# KiCad board chc-panel-1.0.kicad_pcb (continued)
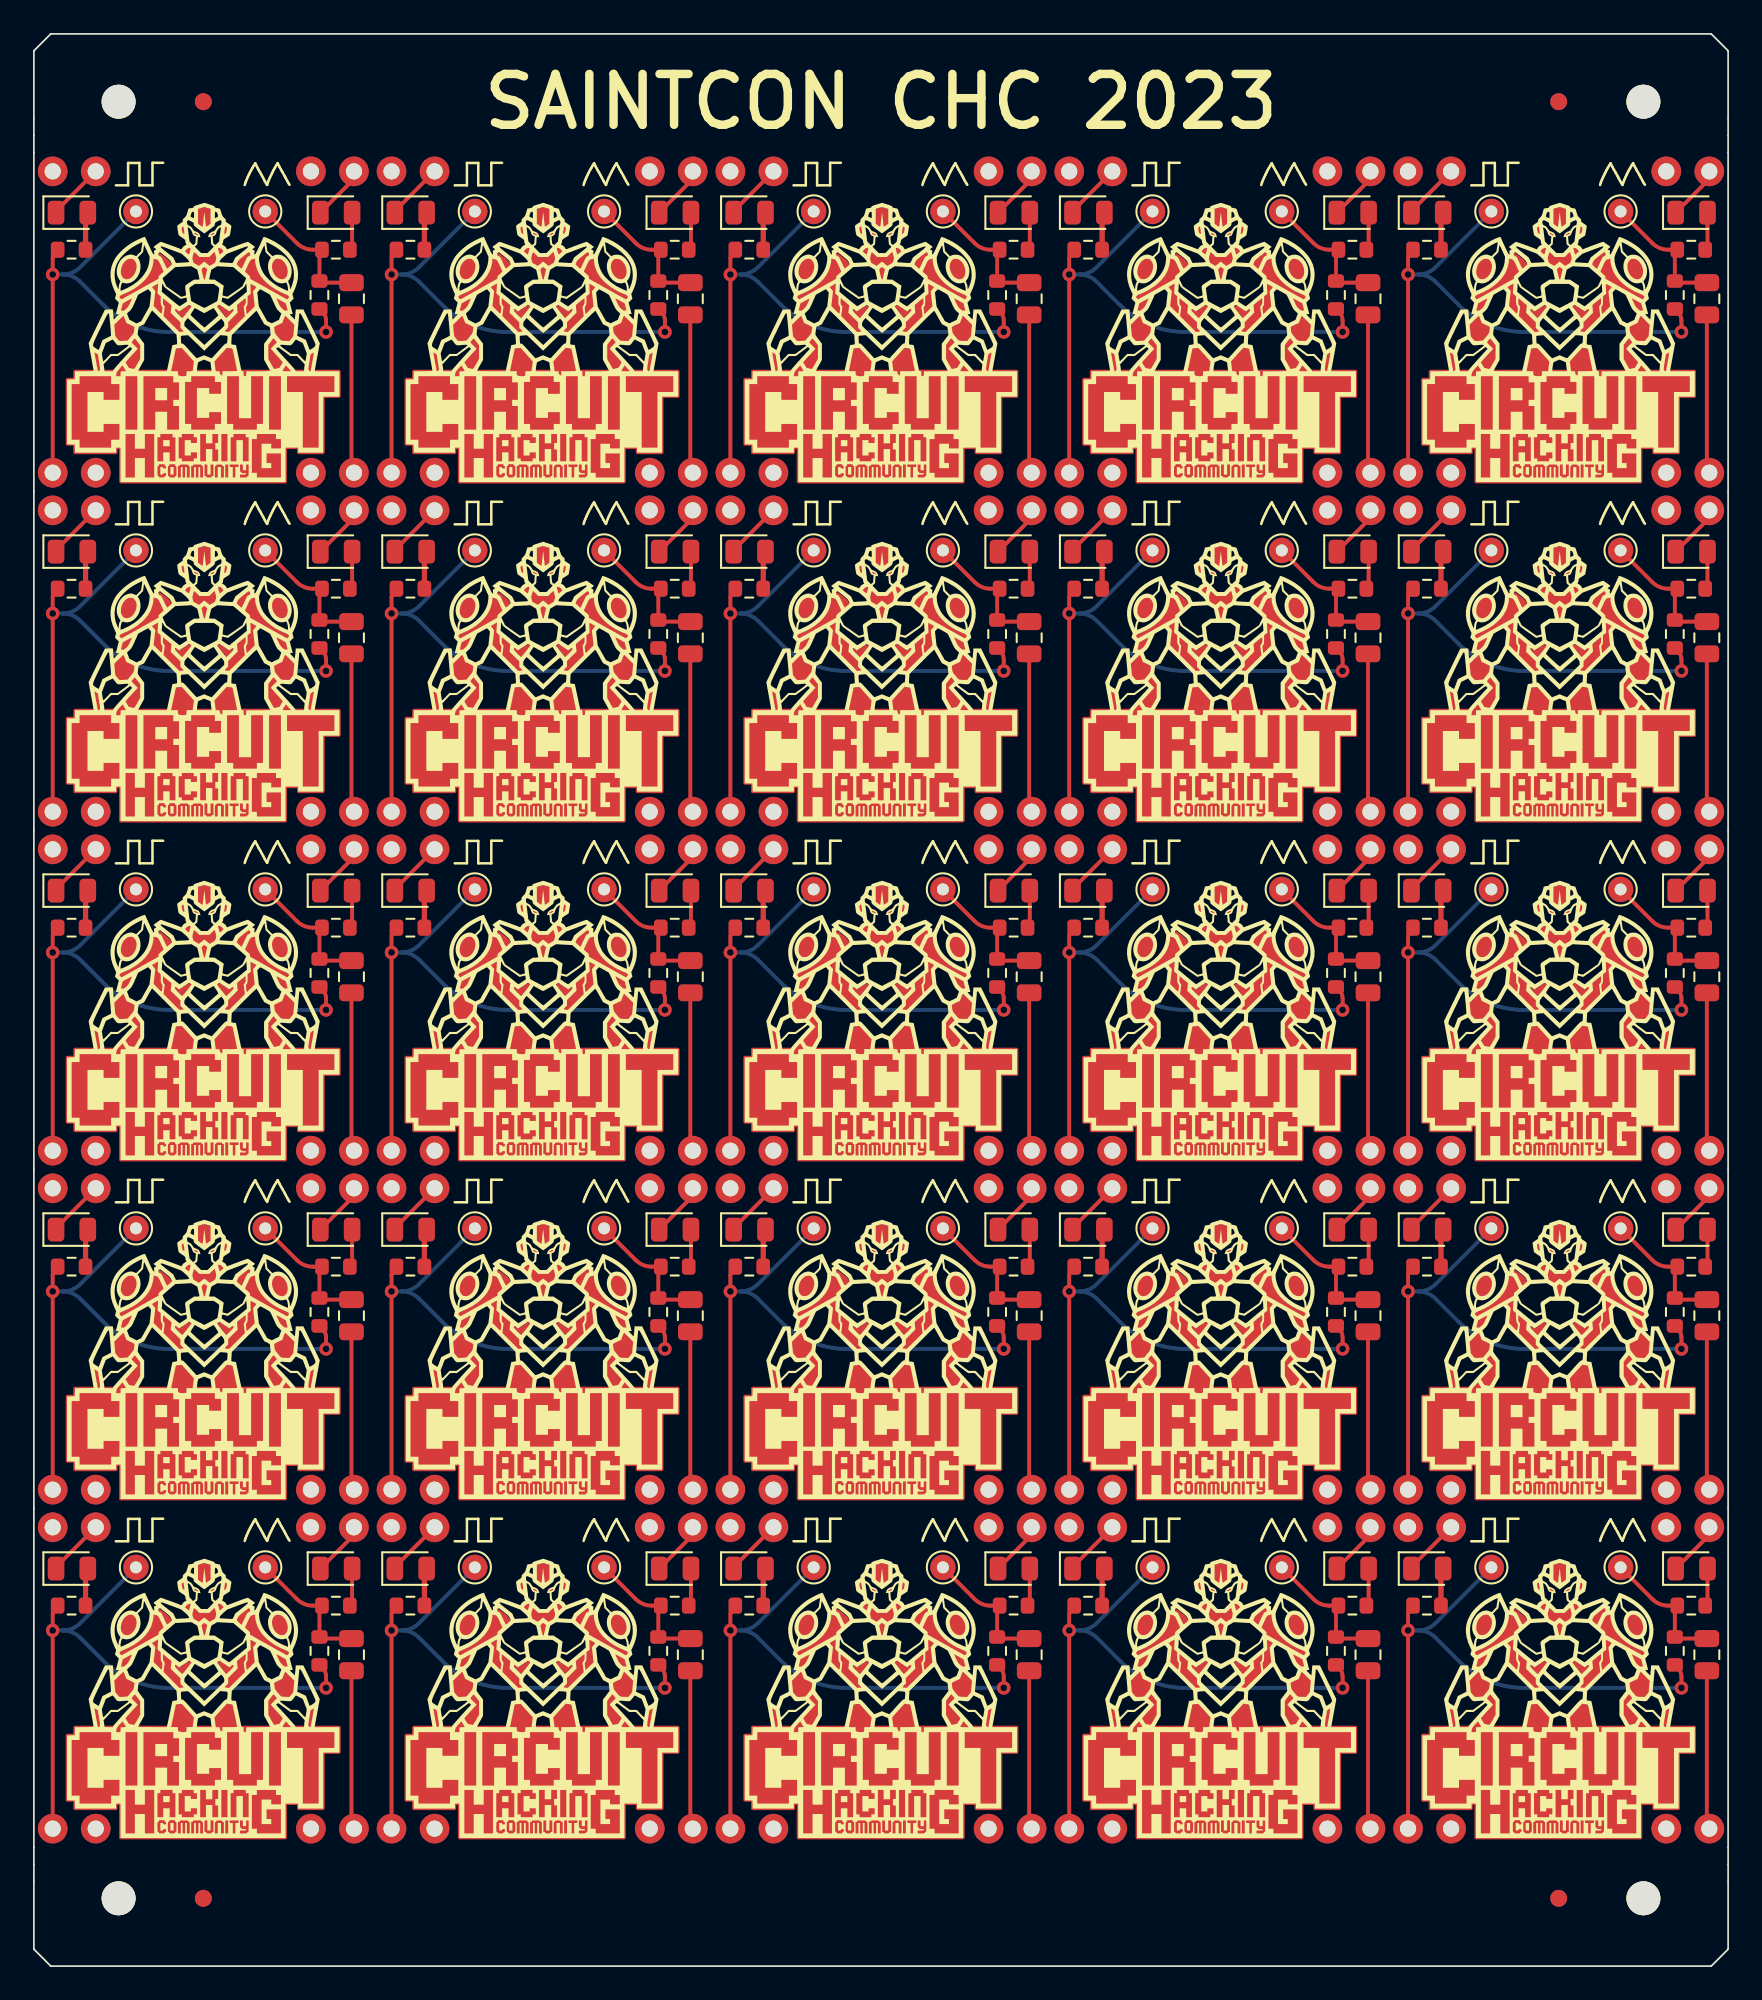
[diagram p0: board, top side]
## Routing (per net, layer and track width the routed paths; a pad name or vN(x,y) marks a point on that pad's centre or on a via; arc(x,y) is an arc through that point) (continued)
Board_17-Net-(MB1-CLK): length 37.8
  Top w0.229: R1-17.2 41.26,41.12 arc(41.15,40.96) 41.11,40.77 MB1-17.9 ; v1(57.24,36.42) 57.24,37.1 arc(57.19,37.36) 57.05,37.58 R2-17.2
  Bottom w0.229: TP1-17.1 42.73,40.23 arc(42.26,39.91) 41.71,39.81 ; v1(57.24,36.42) 47.95,36.42 arc(45.87,36.83) 44.1,38.01 42.73,39.38 arc(42.26,39.7) 41.71,39.81 ; 41.71,39.81 v1(41.11,39.81)
Board_18-GND: length 16
  Top w0.229: MB1-18.8 78.89,45.66 arc(78.85,45.45) 78.73,45.28 D2-18.1 ; D1-18.1 61.31,43.5 arc(61.32,43.54) 61.34,43.58 MB1-18.2 ; C1-18.2 78.74,28.36 arc(78.76,28.26) 78.82,28.18 MB1-18.16
Board_18-Net-(C1-Pad1): length 7.9
  Top w0.229: C1-18.1 77.02,39.33 arc(76.96,39.34) 76.9,39.37 arc(76.87,39.43) 76.86,39.49 76.86,41.02 arc(76.87,41.11) 76.93,41.19 arc(76.94,41.24) 76.9,41.27 76.46,41.27 arc(75.95,41.37) 75.53,41.65 TP2-18.1
Board_18-Net-(D1-A): length 2.2
  Top w0.305: D1-18.2 63.12,43.39 arc(63.07,43.32) 63.05,43.23 R1-18.1
Board_18-Net-(D2-A): length 2.2
  Top w0.229: D2-18.2 78.78,41.49 arc(78.77,41.41) 78.72,41.33 R3-18.1
Board_18-Net-(MB1-CLK): length 37.8
  Top w0.229: MB1-18.9 61.11,40.77 arc(61.15,40.96) 61.26,41.12 R1-18.2 ; R2-18.2 77.05,37.58 arc(77.19,37.36) 77.24,37.1 v1(77.24,36.42)
  Bottom w0.229: 61.71,39.81 v1(61.11,39.81) ; 61.71,39.81 arc(62.26,39.91) 62.73,40.23 TP1-18.1 ; 61.71,39.81 arc(62.26,39.7) 62.73,39.38 64.1,38.01 arc(65.87,36.83) 67.95,36.42 v1(77.24,36.42)
Board_19-GND: length 16
  Top w0.229: MB1-19.8 98.89,45.66 arc(98.85,45.45) 98.73,45.28 D2-19.1 ; D1-19.1 81.31,43.5 arc(81.32,43.54) 81.34,43.58 MB1-19.2 ; C1-19.2 98.74,28.36 arc(98.76,28.26) 98.82,28.18 MB1-19.16
Board_19-Net-(C1-Pad1): length 7.9
  Top w0.229: TP2-19.1 95.53,41.65 arc(95.95,41.37) 96.46,41.27 96.9,41.27 arc(96.94,41.24) 96.93,41.19 arc(96.87,41.11) 96.86,41.02 96.86,39.49 arc(96.87,39.43) 96.9,39.37 arc(96.96,39.34) 97.02,39.33 C1-19.1
Board_19-Net-(D1-A): length 2.2
  Top w0.305: R1-19.1 83.05,43.23 arc(83.07,43.32) 83.12,43.39 D1-19.2
Board_19-Net-(D2-A): length 2.2
  Top w0.229: R3-19.1 98.72,41.33 arc(98.77,41.41) 98.78,41.49 D2-19.2
Board_19-Net-(MB1-CLK): length 37.8
  Top w0.229: R2-19.2 97.05,37.58 arc(97.19,37.36) 97.24,37.1 v1(97.24,36.42) ; R1-19.2 81.26,41.12 arc(81.15,40.96) 81.11,40.77 MB1-19.9
  Bottom w0.229: v1(97.24,36.42) 87.95,36.42 arc(85.87,36.83) 84.1,38.01 82.73,39.38 arc(82.26,39.7) 81.71,39.81 ; TP1-19.1 82.73,40.23 arc(82.26,39.91) 81.71,39.81 ; 81.71,39.81 v1(81.11,39.81)
Board_20-GND: length 16
  Top w0.229: D1-20.1 1.31,23.5 arc(1.32,23.54) 1.34,23.58 MB1-20.2 ; MB1-20.8 18.89,25.66 arc(18.85,25.45) 18.73,25.28 D2-20.1 ; C1-20.2 18.74,8.36 arc(18.76,8.26) 18.82,8.18 MB1-20.16
Board_20-Net-(C1-Pad1): length 7.9
  Top w0.229: C1-20.1 17.02,19.32 arc(16.96,19.34) 16.9,19.37 arc(16.87,19.43) 16.86,19.49 16.86,21.02 arc(16.87,21.11) 16.93,21.19 arc(16.94,21.24) 16.9,21.27 16.46,21.27 arc(15.95,21.37) 15.53,21.65 TP2-20.1
Board_20-Net-(D1-A): length 2.2
  Top w0.305: D1-20.2 3.12,23.39 arc(3.07,23.32) 3.05,23.23 R1-20.1
Board_20-Net-(D2-A): length 2.2
  Top w0.229: R3-20.1 18.72,21.33 arc(18.77,21.41) 18.78,21.49 D2-20.2
Board_20-Net-(MB1-CLK): length 37.8
  Top w0.229: R1-20.2 1.25,21.12 arc(1.15,20.96) 1.11,20.77 MB1-20.9 ; v1(17.24,16.41) 17.24,17.1 arc(17.19,17.36) 17.05,17.57 R2-20.2
  Bottom w0.229: 1.71,19.81 v1(1.11,19.81) ; 1.71,19.81 arc(2.26,19.91) 2.73,20.23 TP1-20.1 ; 1.71,19.81 arc(2.26,19.7) 2.73,19.38 4.1,18.01 arc(5.87,16.83) 7.95,16.41 v1(17.24,16.41)
Board_21-GND: length 16
  Top w0.229: MB1-21.8 38.89,25.66 arc(38.85,25.45) 38.73,25.28 D2-21.1 ; D1-21.1 21.31,23.5 arc(21.32,23.54) 21.34,23.58 MB1-21.2 ; MB1-21.16 38.82,8.18 arc(38.76,8.26) 38.74,8.36 C1-21.2
Board_21-Net-(C1-Pad1): length 7.9
  Top w0.229: TP2-21.1 35.53,21.65 arc(35.95,21.37) 36.46,21.27 36.9,21.27 arc(36.94,21.24) 36.93,21.19 arc(36.87,21.11) 36.86,21.02 36.86,19.49 arc(36.87,19.43) 36.9,19.37 arc(36.96,19.34) 37.02,19.32 C1-21.1
Board_21-Net-(D1-A): length 2.2
  Top w0.305: D1-21.2 23.12,23.39 arc(23.07,23.32) 23.05,23.23 R1-21.1
Board_21-Net-(D2-A): length 2.2
  Top w0.229: R3-21.1 38.72,21.33 arc(38.77,21.41) 38.78,21.49 D2-21.2
Board_21-Net-(MB1-CLK): length 37.8
  Top w0.229: R2-21.2 37.05,17.57 arc(37.19,17.36) 37.24,17.1 v1(37.24,16.41) ; MB1-21.9 21.11,20.77 arc(21.15,20.96) 21.25,21.12 R1-21.2
  Bottom w0.229: 21.71,19.81 v1(21.11,19.81) ; 21.71,19.81 arc(22.26,19.7) 22.73,19.38 24.1,18.01 arc(25.87,16.83) 27.95,16.41 v1(37.24,16.41) ; 21.71,19.81 arc(22.26,19.91) 22.73,20.23 TP1-21.1
Board_22-GND: length 16
  Top w0.229: MB1-22.2 41.34,23.58 arc(41.32,23.54) 41.31,23.5 D1-22.1 ; C1-22.2 58.74,8.36 arc(58.76,8.26) 58.82,8.18 MB1-22.16 ; D2-22.1 58.73,25.28 arc(58.85,25.45) 58.89,25.66 MB1-22.8
Board_22-Net-(C1-Pad1): length 7.9
  Top w0.229: C1-22.1 57.02,19.32 arc(56.96,19.34) 56.9,19.37 arc(56.87,19.43) 56.86,19.49 56.86,21.02 arc(56.87,21.11) 56.93,21.19 arc(56.94,21.24) 56.9,21.27 56.46,21.27 arc(55.95,21.37) 55.53,21.65 TP2-22.1
Board_22-Net-(D1-A): length 2.2
  Top w0.305: R1-22.1 43.05,23.23 arc(43.07,23.32) 43.12,23.39 D1-22.2
Board_22-Net-(D2-A): length 2.2
  Top w0.229: R3-22.1 58.72,21.33 arc(58.77,21.41) 58.78,21.49 D2-22.2
Board_22-Net-(MB1-CLK): length 37.8
  Top w0.229: R1-22.2 41.26,21.12 arc(41.15,20.96) 41.11,20.77 MB1-22.9 ; R2-22.2 57.05,17.57 arc(57.19,17.36) 57.24,17.1 v1(57.24,16.41)
  Bottom w0.229: v1(57.24,16.41) 47.95,16.41 arc(45.87,16.83) 44.1,18.01 42.73,19.38 arc(42.26,19.7) 41.71,19.81 ; TP1-22.1 42.73,20.23 arc(42.26,19.91) 41.71,19.81 ; 41.71,19.81 v1(41.11,19.81)
Board_23-GND: length 16
  Top w0.229: D1-23.1 61.31,23.5 arc(61.32,23.54) 61.34,23.58 MB1-23.2 ; C1-23.2 78.74,8.36 arc(78.76,8.26) 78.82,8.18 MB1-23.16 ; D2-23.1 78.73,25.28 arc(78.85,25.45) 78.89,25.66 MB1-23.8
Board_23-Net-(C1-Pad1): length 7.9
  Top w0.229: TP2-23.1 75.53,21.65 arc(75.95,21.37) 76.46,21.27 76.9,21.27 arc(76.94,21.24) 76.93,21.19 arc(76.87,21.11) 76.86,21.02 76.86,19.49 arc(76.87,19.43) 76.9,19.37 arc(76.96,19.34) 77.02,19.32 C1-23.1
Board_23-Net-(D1-A): length 2.2
  Top w0.305: D1-23.2 63.12,23.39 arc(63.07,23.32) 63.05,23.23 R1-23.1
Board_23-Net-(D2-A): length 2.2
  Top w0.229: R3-23.1 78.72,21.33 arc(78.77,21.41) 78.78,21.49 D2-23.2
Board_23-Net-(MB1-CLK): length 37.8
  Top w0.229: R2-23.2 77.05,17.57 arc(77.19,17.36) 77.24,17.1 v1(77.24,16.41) ; MB1-23.9 61.11,20.77 arc(61.15,20.96) 61.26,21.12 R1-23.2
  Bottom w0.229: 61.71,19.81 v1(61.11,19.81) ; 61.71,19.81 arc(62.26,19.7) 62.73,19.38 64.1,18.01 arc(65.87,16.83) 67.95,16.41 v1(77.24,16.41) ; 61.71,19.81 arc(62.26,19.91) 62.73,20.23 TP1-23.1
Board_24-GND: length 16
  Top w0.229: D1-24.1 81.31,23.5 arc(81.32,23.54) 81.34,23.58 MB1-24.2 ; C1-24.2 98.74,8.36 arc(98.76,8.26) 98.82,8.18 MB1-24.16 ; D2-24.1 98.73,25.28 arc(98.85,25.45) 98.89,25.66 MB1-24.8
Board_24-Net-(C1-Pad1): length 7.9
  Top w0.229: TP2-24.1 95.53,21.65 arc(95.95,21.37) 96.46,21.27 96.9,21.27 arc(96.94,21.24) 96.93,21.19 arc(96.87,21.11) 96.86,21.02 96.86,19.49 arc(96.87,19.43) 96.9,19.37 arc(96.96,19.34) 97.02,19.32 C1-24.1
Board_24-Net-(D1-A): length 2.2
  Top w0.305: R1-24.1 83.05,23.23 arc(83.07,23.32) 83.12,23.39 D1-24.2
Board_24-Net-(D2-A): length 2.2
  Top w0.229: D2-24.2 98.78,21.49 arc(98.77,21.41) 98.72,21.33 R3-24.1
Board_24-Net-(MB1-CLK): length 37.8
  Top w0.229: v1(97.24,16.41) 97.24,17.1 arc(97.19,17.36) 97.05,17.57 R2-24.2 ; R1-24.2 81.26,21.12 arc(81.15,20.96) 81.11,20.77 MB1-24.9
  Bottom w0.229: 81.71,19.81 v1(81.11,19.81) ; 81.71,19.81 arc(82.26,19.91) 82.73,20.23 TP1-24.1 ; 81.71,19.81 arc(82.26,19.7) 82.73,19.38 84.1,18.01 arc(85.87,16.83) 87.95,16.41 v1(97.24,16.41)

## Copper pours and planes (outline as drawn; the poured copper is in the pictures)
Board_0-GND on Bottom: 0,107 19.98,106.98 19.99,87.02 0,87
Board_1-GND on Bottom: 20,107 39.98,106.98 39.99,87.02 20,87
Board_2-GND on Bottom: 40.01,107 59.98,106.98 59.99,87.02 40.01,87
Board_3-GND on Bottom: 60.01,107 79.98,106.98 79.99,87.02 60.01,87
Board_4-GND on Bottom: 80.01,107 99.98,106.98 99.99,87.02 80.01,87
Board_5-GND on Bottom: 0,87 19.98,86.98 19.99,67.02 0,67
Board_6-GND on Bottom: 20,87 39.98,86.98 39.99,67.02 20,67
Board_7-GND on Bottom: 40.01,87 59.98,86.98 59.99,67.02 40.01,67
Board_8-GND on Bottom: 60.01,87 79.98,86.98 79.99,67.02 60.01,67
Board_9-GND on Bottom: 80.01,87 99.98,86.98 99.99,67.02 80.01,67
Board_10-GND on Bottom: 0,67 19.98,66.98 19.99,47.02 0,47
Board_11-GND on Bottom: 20,67 39.98,66.98 39.99,47.02 20,47
Board_12-GND on Bottom: 40.01,67 59.98,66.98 59.99,47.02 40.01,47
Board_13-GND on Bottom: 60.01,67 79.98,66.98 79.99,47.02 60.01,47
Board_14-GND on Bottom: 80.01,67 99.98,66.98 99.99,47.02 80.01,47
Board_15-GND on Bottom: 0,47 19.98,46.98 19.99,27.02 0,27
Board_16-GND on Bottom: 20,47 39.98,46.98 39.99,27.02 20,27
Board_17-GND on Bottom: 40.01,47 59.98,46.98 59.99,27.02 40.01,27
Board_18-GND on Bottom: 60.01,47 79.98,46.98 79.99,27.02 60.01,27
Board_19-GND on Bottom: 80.01,47 99.98,46.98 99.99,27.02 80.01,27
Board_20-GND on Bottom: 0,27 19.98,26.98 19.99,7.01 0,7
Board_21-GND on Bottom: 20,27 39.98,26.98 39.99,7.01 20,7
Board_22-GND on Bottom: 40.01,27 59.98,26.98 59.99,7.01 40.01,7
Board_23-GND on Bottom: 60.01,27 79.98,26.98 79.99,7.01 60.01,7
Board_24-GND on Bottom: 80.01,27 99.98,26.98 99.99,7.01 80.01,7

Small or netless copper shapes (teardrops, artwork), in the pictures only: 25 on Top

## Text on the board
B.Mask: @hamster
B.Silkscreen: CLK | VBATT | GND | SQUARE | TRIANGLE | +3v3 | github.com/hamster/ / saintcon | 2023 | SAINTCON CHC
F.Fab: V-CUT
F.Silkscreen: SAINTCON CHC 2023
